# Allegro board SG2042_EVB_V2_0.brd (continued)
## Copper pours and planes (outline as drawn; the poured copper is in the pictures) (continued)
VDD_12V on TOP (solid shape): 126.34,299.9 126.63,299.78 126.75,299.49 126.75,297.32 122.07,297.32 122.07,298.57 122.3,298.57 122.3,298.75 122.44,298.75 122.44,298.57 124.3,298.57 124.3,299.23 124.3,299.27 124.3,299.49 124.42,299.78 124.71,299.9
VDD_12V on TOP (solid shape): 136.58,299.9 136.86,299.78 136.98,299.49 136.98,297.32 132.31,297.32 132.31,298.57 132.54,298.57 132.54,298.75 132.68,298.75 132.68,298.57 134.54,298.57 134.54,299.23 134.54,299.27 134.54,299.49 134.66,299.78 134.94,299.9
VDD_12V on TOP (solid shape): 146.81,299.9 147.1,299.78 147.22,299.49 147.22,297.32 142.54,297.32 142.54,298.57 142.77,298.57 142.77,298.75 142.91,298.75 142.91,298.57 144.77,298.57 144.77,299.23 144.77,299.27 144.77,299.49 144.89,299.78 145.18,299.9
VDD_12V on TOP (solid shape): 64.71,285.91 64.71,285.06 64.63,284.98 64.59,284.99 64.15,284.81 63.98,284.38 64.01,284.17 64.11,283.99 64.08,283.91 64.02,283.9 63.08,283.9 62.39,284.31 61.69,283.9 61.4,283.9 61.4,284.98 60.18,284.98 60.18,283.9 59.33,283.9 59.16,283.9 59.16,284.53 58.39,284.53 58.39,283.9 57.48,283.9 57.19,284.2 56.79,284.31 56.41,284.22 56.13,283.96 55.8,283.96 55.72,284.08 55.73,284.1 55.78,284.24 55.8,284.38 55.19,284.99 54.58,284.38 54.61,284.17 54.71,283.99 54.68,283.91 54.62,283.9 53.68,283.9 52.99,284.31 52.29,283.9 52,283.9 52,284.98 50.78,284.98 50.78,283.9 50.11,283.9 49.94,283.9 49.94,284.53 49.17,284.53 49.17,283.9 47.6,283.9 47.6,286.94 63.68,286.94
VDD_12V on TOP (solid shape): 185.9,283.9 184.51,283.9 184.33,283.9 184.33,284.53 183.57,284.53 183.57,283.9 182.81,283.9 182.11,284.31 181.42,283.9 181.09,283.9 181.01,284.03 181.03,284.05 181.1,284.21 181.12,284.38 180.51,284.99 179.9,284.38 179.93,284.21 179.99,284.05 180.01,284.03 179.94,283.9 179.01,283.9 178.31,284.31 177.62,283.9 177.32,283.9 177.32,284.98 176.1,284.98 176.1,283.9 175.26,283.9 175.08,283.9 175.08,284.53 174.32,284.53 174.32,283.9 173.41,283.9 172.71,284.31 172.02,283.9 171.69,283.9 171.62,284.03 171.63,284.05 171.7,284.21 171.72,284.38 171.11,284.99 170.5,284.38 170.53,284.21 170.6,284.05 170.61,284.03 170.54,283.9 169.61,283.9 168.91,284.31 168.22,283.9 167.92,283.9 167.92,284.98 167.19,284.98 167.19,285.91 168.22,286.94 185.9,286.94
VDD_12V on BOTTOM (solid shape): 95.63,299.9 95.92,299.78 96.04,299.49 96.04,297.33 91.56,297.33 91.42,297.39 91.36,297.54 91.36,298.5 92.76,299.9
VDD_12V on BOTTOM (solid shape): 103.58,143.76 103.73,143.7 103.79,143.55 103.79,142.59 102.39,141.19 99.52,141.19 99.23,141.31 99.11,141.6 99.11,143.76
VDD_12V on BOTTOM (solid shape): 105.87,299.9 106.15,299.78 106.27,299.49 106.27,297.33 101.8,297.33 101.66,297.39 101.6,297.54 101.6,298.5 103,299.9
VDD_12V on BOTTOM (solid shape): 116.1,299.9 116.39,299.78 116.51,299.49 116.51,297.33 112.04,297.33 111.89,297.39 111.83,297.54 111.83,298.5 113.23,299.9
VDD_12V on BOTTOM (solid shape): 126.34,299.9 126.63,299.78 126.75,299.49 126.75,297.33 122.27,297.33 122.13,297.39 122.07,297.54 122.07,298.5 123.47,299.9
VDD_12V on BOTTOM (solid shape): 136.58,299.9 136.86,299.78 136.98,299.49 136.98,297.33 132.51,297.33 132.36,297.39 132.31,297.54 132.31,298.5 133.71,299.9
VDD_12V on BOTTOM (solid shape): 146.81,299.9 147.1,299.78 147.22,299.49 147.22,297.33 142.74,297.33 142.6,297.39 142.54,297.54 142.54,298.5 143.94,299.9
VDD_12V on ART07 (solid shape): outline of 28601 points within 48.64,137.9 222.48,303.76
VDD_12V on PWR08 (solid shape): outline of 28601 points within 48.64,137.9 222.48,303.76
VDD_HDMI_5V on TOP (solid shape): 25.55,187.78 25.43,187.66 23.17,187.66 23.17,188.29 22.53,188.29 22.53,189.59 22.68,189.94 23.04,190.09 25.55,190.09
VDD_HDMI_5V on TOP (solid shape): outline of 112 points within 7.54,180.06 23.88,190.09
VDD_MCU on BOTTOM (solid shape): 117.2,44.58 117.83,44.58 117.83,44.09 117.2,44.09 117.2,43.46 116.51,43.46 116.22,43.58 116.1,43.87 116.1,45.36 117.2,45.36
VDD_MCU on ART14 (solid shape): outline of 3817 points within 102.79,10.67 137.95,49.28
VDD_PCIE0_12V on TOP (solid shape): 47.94,75.57 47.32,75.57 47.32,74.8 47.94,74.8 47.94,69.44 42.1,69.44 42.1,76.16 42.61,76.68 47.94,76.68
VDD_PCIE0_12V on TOP (solid shape): 48.3,86.95 48.17,86.81 48.1,86.65 48.1,86.63 47.95,86.48 46.26,86.48 46.1,86.48 45.57,87.02 45.57,88.67 45.57,91.64 48.3,91.64
VDD_PCIE1_12V on TOP (solid shape): 47.94,116.71 47.32,116.71 47.32,115.95 47.94,115.95 47.94,110.59 42.1,110.59 42.1,116.8 42.61,117.32 47.94,117.32
VDD_PCIE1_12V on TOP (solid shape): 48.3,127.59 48.18,127.46 48.1,127.29 48.1,127.28 47.95,127.12 46.26,127.12 46.1,127.12 45.57,127.66 45.57,129.18 45.57,132.16 48.3,132.16
VDD_PCIE_C_0V8 on ART03 (solid shape): outline of 902 points within 104.05,203.35 130.45,205.22
VDD_PCIE_C_0V8 on ART07 (solid shape): outline of 4375 points within 113.05,170.48 129.45,204.75
VDD_PCIE_C_0V8 on PWR08 (solid shape): outline of 4375 points within 113.05,170.48 129.45,204.75
VDD_PCIE_C_0V8 on ART10 (solid shape): outline of 905 points within 104.05,203.35 130.45,205.22
VDD_PCIE_C_0V8 on ART12 (solid shape): outline of 905 points within 104.05,203.35 130.45,205.22
VDD_PCIE_C_0V8 on ART14 (solid shape): outline of 906 points within 104.05,203.35 130.45,205.22
VDD_PCIE_D_0V8 on ART03 (solid shape): outline of 1582 points within 104.05,205.35 130.45,208.75
VDD_PCIE_D_0V8 on ART07 (solid shape): outline of 6040 points within 104.05,170.48 128.92,208.75
VDD_PCIE_D_0V8 on PWR08 (solid shape): outline of 6040 points within 104.05,170.48 128.92,208.75
VDD_PCIE_D_0V8 on ART10 (solid shape): outline of 1582 points within 104.05,205.35 130.45,208.75
VDD_PCIE_D_0V8 on ART12 (solid shape): outline of 1583 points within 104.05,205.35 130.45,208.75
VDD_PCIE_D_0V8 on ART14 (solid shape): outline of 1583 points within 104.05,205.35 130.45,208.75
VDD_PCIE_H_1V8 on TOP (solid shape): 129.36,157.62 126.16,157.62 126.16,159.61 127.43,160.88 129.36,160.88
VDD_PCIE_H_1V8 on ART03 (solid shape): outline of 760 points within 103.05,201.88 131.45,203.22
VDD_PCIE_H_1V8 on ART07 (solid shape): outline of 2835 points within 122.58,159.36 129.45,202.75
VDD_PCIE_H_1V8 on PWR08 (solid shape): outline of 2835 points within 122.58,159.36 129.45,202.75
VDD_PCIE_H_1V8 on ART10 (solid shape): outline of 732 points within 103.05,201.88 131.45,203.22
VDD_PCIE_H_1V8 on ART12 (solid shape): outline of 733 points within 103.05,201.88 131.45,203.22
VDD_PCIE_H_1V8 on ART14 (solid shape): outline of 769 points within 103.05,201.88 131.45,203.22
VDD_PLL_0V8 on TOP (solid shape): 123.16,163.08 119.96,163.08 119.96,165.07 121.23,166.34 123.16,166.34
VDD_PLL_0V8 on TOP (solid shape): 120.47,168.71 121.23,168.71 121.23,169.34 122.66,169.34 123.16,168.83 123.16,164.34 119.96,164.34 119.96,165.13 119.88,165.34 119.68,165.45 119.37,165.45 119.35,165.46 119.08,165.46 118.72,165.6 118.57,165.96 118.57,168.71 119.2,168.71 119.2,169.34 120.47,169.34
VDD_PLL_0V8 on ART05 (solid shape): outline of 6810 points within 102.55,164.77 131.42,223.25
VDD_U1_5V on TOP (solid shape): 23.04,179.71 22.4,179.71 22.4,179.07 18.82,179.07 18.57,179.32 17.25,179.32 16.94,179.63 16.94,181 17.45,181.51 23.04,181.51
VDD_U1_5V on TOP (solid shape): 25.55,179.2 25.43,179.07 23.17,179.07 23.17,179.71 22.53,179.71 22.53,181 22.68,181.36 23.04,181.51 25.55,181.51
VDD_U2_5V on TOP (solid shape): 23.75,184.25 23.29,184.25 23.29,183.36 23.17,183.36 23.17,184 22.4,184 22.4,183.36 20.95,181.91 17.27,181.91 16.54,181.18 16.54,179.63 16.23,179.32 14.45,179.32 14.15,179.63 14.15,182.25 17.7,185.8 23.75,185.8
VDD_U2_5V on TOP (solid shape): 25.55,183.49 25.43,183.36 23.17,183.36 23.17,184 22.53,184 22.53,185.29 22.68,185.65 23.04,185.8 25.55,185.8
VDDC on TOP (solid shape): 92.66,280.85 93.95,279.56 93.95,275.44 93.9,275.29 93.75,275.23 92.76,275.23 89.66,278.33 89.66,283.95 92.66,283.95
VDDC on TOP (solid shape): 143.84,278.33 140.74,275.23 139.75,275.23 139.61,275.29 139.55,275.44 139.55,279.56 140.84,280.85 140.84,283.95 143.84,283.95
VDDC on TOP (solid shape): 102.9,280.85 104.19,279.56 104.19,277.8 104.13,277.66 103.99,277.6 98.81,277.6 98.66,277.66 98.6,277.8 98.6,279.56 99.9,280.85 99.9,283.95 102.9,283.95
VDDC on TOP (solid shape): 113.13,280.85 114.43,279.56 114.43,277.8 114.37,277.66 114.22,277.6 109.04,277.6 108.9,277.66 108.84,277.8 108.84,279.56 110.13,280.85 110.13,283.95 113.13,283.95
VDDC on TOP (solid shape): 123.37,280.85 124.66,279.56 124.66,277.8 124.6,277.66 124.46,277.6 119.28,277.6 119.13,277.66 119.08,277.8 119.08,279.56 120.37,280.85 120.37,283.95 123.37,283.95
VDDC on TOP (solid shape): 133.61,280.85 134.9,279.56 134.9,277.8 134.84,277.66 134.7,277.6 129.51,277.6 129.37,277.66 129.31,277.8 129.31,279.56 130.61,280.85 130.61,283.95 133.61,283.95
VDDC on TOP (solid shape): outline of 269 points within 92.76,268.4 140.74,278.61
VDDC on BOTTOM (solid shape): 95.05,283.16 95.33,283.04 95.45,282.75 95.45,278 95.33,277.72 95.05,277.6 89.38,277.6 86.87,280.11 86.87,282.75 86.99,283.04 87.27,283.16
VDDC on BOTTOM (solid shape): 146.23,283.16 146.52,283.04 146.63,282.75 146.63,280.11 144.12,277.6 138.46,277.6 138.17,277.72 138.05,278 138.05,282.75 138.17,283.04 138.46,283.16
VDDC on ART03 (solid shape): outline of 807 points within 89.81,268.27 143.69,280.31
VDDC on ART03 (solid shape): outline of 16735 points within 104.05,206.35 129.45,239.75
VDDC on ART05 (solid shape): outline of 26441 points within 89.81,206.35 143.69,280.31
VDDC on ART07 (solid shape): outline of 26437 points within 89.81,206.35 143.69,280.31
VDDC on PWR08 (solid shape): outline of 26440 points within 89.81,206.35 143.69,280.31
VDDC on ART10 (solid shape): outline of 25280 points within 89.81,206.35 143.69,280.31
VDDC on ART12 (solid shape): outline of 26435 points within 89.81,206.35 143.69,280.31
VDDC on ART14 (solid shape): outline of 16727 points within 104.05,206.35 129.45,239.75
VDDIO18 on TOP (solid shape): 221.09,255.3 219.13,255.3 217.86,256.57 217.86,258.5 221.09,258.5
VDDIO18 on TOP (solid shape): 117.45,173.41 117.59,173.35 117.65,173.21 117.65,171.83 117.59,171.69 117.45,171.63 116.86,171.63 116.77,171.65 116.7,171.7 116.76,171.86 117.32,171.86 117.32,172.62 116.66,172.62 116.66,172.95 116.75,173.03 116.79,173.03 116.96,173.1 117.04,173.28 117.04,173.32 117.12,173.41
VDDIO18 on ART03 (solid shape): outline of 1051 points within 99.7,162.51 129.63,175.89
VDDIO18 on ART05 (solid shape): outline of 913 points within 114.58,174.88 116.45,208.22
VDDIO18 on ART05 (solid shape): outline of 2262 points within 108.58,172.72 113.45,208.75
VDDIO18 on ART05 (solid shape): outline of 3476 points within 98.55,165.16 106.09,225.25
VDDIO18 on ART05 (solid shape): outline of 3477 points within 127.64,162.48 134.42,225.25
VDDIO18 on ART05 (solid shape): outline of 13154 points within 152.12,232.23 219.86,288.54
VDDIO18 on ART12 (solid shape): outline of 28786 points within 30.53,0.86 242.98,283.49
VDDIO33 on TOP (solid shape): 221.09,261.93 219.13,261.93 217.86,263.19 217.86,265.12 221.09,265.12
VDDIO33 on ART05 (solid shape): outline of 969 points within 112.58,172.24 115.45,208.75
VDDIO33 on ART12 (solid shape): outline of 24488 points within 19.76,155.4 219.61,302.11
VDDIO_FPLL on ART05 (solid shape): outline of 1036 points within 119.05,170.54 121.92,208.75
VDDIO_MPLL on ART05 (solid shape): outline of 950 points within 118.05,170.54 119.92,208.75
ASM281_3.3V_SUS on BOTTOM (solid shape): 155.07,92.96 155.45,92.58 155.45,92.47 155.33,92.21 155.45,91.96 155.45,91.31 155.07,90.93 154.48,90.93 154.48,88.44 155.07,88.44 155.07,88.21 155.01,88.07 154.86,88.01 152.12,88.01 152.12,88.42 152.12,88.56 153.25,88.56 153.25,88.68 153.26,88.68 153.59,89.01 153.26,89.34 153.25,89.34 153.25,89.48 153.26,89.48 153.59,89.81 153.26,90.14 153.25,90.14 153.25,91.57 153.66,91.57 153.74,91.48 153.73,91.41 154.3,91.18 154.06,91.74 153.97,91.73 153.88,91.69 153.85,91.67 153.72,91.74 153.72,93.37 153.84,93.66 154.13,93.78 155.07,93.78
ASM1061_1V25 on TOP (solid shape): 219.79,76.33 219.79,75.1 219.27,75.1 218.39,75.1 217.7,75.78 214.3,75.78 214.3,76.63 219.48,76.63
ASM1061_1V25 on TOP (solid shape): 218.15,69.13 218.29,69.07 218.35,68.93 218.35,67.83 217.96,67.44 216.76,67.44 216.76,68.71 217.12,69.06 217.42,69.06 217.53,69.08 217.63,69.13
ASM1061_1V25 on ART14 (solid shape): outline of 877 points within 217.91,68.1 226.69,76.1
ASM1061_3V3 on TOP (solid shape): 216.05,70.54 215.24,70.54 215.09,70.69 215.09,72.64 215.26,72.82 216.05,72.82
ASM1061_3V3 on ART03 (solid shape): outline of 1624 points within 215.06,66.75 230.23,81.41
ASM2812_1P05V on BOTTOM (solid shape): 147.27,86.84 147.9,86.84 147.9,86.2 147.79,86.12 147.77,86.13 147.72,86.14 147.66,86.14 147.45,86.07 147.34,85.87 147.33,85.83 146.4,85.83 146.39,85.87 146.28,86.07 146.06,86.14 146.01,86.14 145.96,86.13 145.93,86.12 145.82,86.2 145.82,86.84 146.46,86.84 146.46,87.48 147.27,87.48
ASM2812_1P05V on BOTTOM (solid shape): 144.17,82.76 144.16,82.74 144.14,82.68 144.13,82.61 144.21,82.4 144.41,82.29 144.45,82.28 144.45,81.35 144.41,81.34 144.21,81.23 144.13,81.01 144.13,78.69 144.01,78.4 143.73,78.28 143.43,78.28 143.43,81.48 142.8,81.48 142.8,82.24 143.43,82.24 143.43,82.88 144.09,82.88
ASM2812_1P05V on BOTTOM (solid shape): 155.9,87.65 157.48,87.65 157.48,85.37 156.19,85.37 156.19,86.21 154.56,86.21 154.56,85.37 152.68,85.37 152.68,86.06 151.1,86.06 151.1,85.29 151.98,85.29 151.98,85.16 151.97,85.11 151.97,85.06 151.97,85 151.99,84.94 151.99,84.72 151.97,84.7 151.97,84.63 151.1,84.63 151.1,83.06 151.17,83.06 151.17,82.92 151.16,82.87 151.15,82.83 151.25,82.6 151.49,82.5 151.54,82.5 151.6,82.52 151.63,82.53 151.74,82.45 151.74,81.48 151.1,81.48 151.1,80.72 151.74,80.72 151.74,80.19 151.68,80.04 151.54,79.98 150.6,79.98 150.45,80.04 150.39,80.19 150.39,86.53 150.39,86.64 150.45,86.78 150.6,86.84 152.12,86.84 152.12,87.88 155.9,87.88
ASM2812_1P05V on BOTTOM (solid shape): outline of 243 points within 144.98,76.94 149.73,79.08
ASM2812_1P05V on ART07 (solid shape): outline of 5574 points within 143.46,75.11 163.98,87.83
ASM2812_2P5V on BOTTOM (solid shape): 143.87,87.02 142.85,87.02 142.85,88.09 143.87,88.09
ASM2812_2P5V on BOTTOM (solid shape): 152.88,84.43 153.52,84.43 153.52,83.39 153.46,83.24 153.31,83.19 152.1,83.19 152.1,84.64 152.22,84.74 152.3,84.73 152.52,84.82 152.63,85.02 152.63,85.06 152.88,85.06
ASM2812_2P5V on BOTTOM (solid shape): 148.46,86.84 150.09,86.84 150.09,87.48 150.27,87.48 150.27,86.55 150.27,86.53 150.14,86.26 149.86,86.14 148.64,86.14 148.35,86.26 148.23,86.55 148.23,87.48 148.46,87.48
ASM2812_2P5V on BOTTOM (solid shape): 145.69,86.55 145.57,86.26 145.29,86.14 144.4,86.14 144.11,86.26 143.99,86.55 143.99,86.84 145.49,86.84 145.49,87.48 145.69,87.48
ASM2812_2P5V on BOTTOM (solid shape): 152.04,79.63 152.19,79.57 152.25,79.43 152.25,78.89 151.1,78.89 151.1,78.13 152.25,78.13 152.25,76.71 150.85,76.71 150.85,77.57 150.09,77.57 150.09,76.71 149.86,76.71 149.86,78.22 149.96,78.3 150.02,78.29 150.06,78.28 150.3,78.38 150.39,78.61 150.39,79.43 150.45,79.57 150.6,79.63
ASM2812_2P5V on BOTTOM (solid shape): 144.09,84.79 143.46,84.79 143.46,83.01 141.86,83.01 141.3,83.01 141.3,82.64 141.3,82.61 141.3,81.12 141.3,81.09 141.3,80.21 140.66,80.21 140.66,79.58 140.18,79.58 140.18,81.59 138.58,81.59 138.58,80.64 135.96,80.64 135.88,80.74 135.89,80.82 135.79,81.06 135.56,81.15 135.42,81.12 135.3,81.03 135.29,81.02 135.17,81.01 134.52,81.66 134.52,83.33 136.5,83.33 136.95,83.42 137.34,83.68 137.35,83.69 139.7,83.69 141.2,85.19 144.09,85.19
ASM2812_2P5V on ART10 (solid shape): outline of 5476 points within 136.26,76.1 153.73,87.08
ASM2812_VCC3.3V on BOTTOM (solid shape): 154.86,78.01 154.86,77.27 155.88,77.27 155.88,78.21 158.45,78.21 158.45,76.95 158.33,76.66 158.04,76.54 157.26,76.54 157.04,76.46 156.93,76.24 156.93,76.22 156.85,76.15 156.08,76.15 156.08,76.78 154.46,76.78 154.46,76.5 154.31,76.43 154.29,76.46 154.18,76.52 154.06,76.54 154.01,76.54 153.96,76.53 153.93,76.52 153.82,76.6 153.82,76.78 153.03,76.78 153.03,77.8 153.15,78.09 153.44,78.21 154.74,78.21
ASM2812_VCC3.3V on ART12 (solid shape): outline of 7264 points within 127.84,58.45 157.45,87.08
DAC_VDD12A on TOP (solid shape): 187.17,80.82 187.17,78.89 183.91,78.89 183.91,82.09 185.9,82.09
DAC_VDD12A on BOTTOM (solid shape): 190.2,98.05 190.14,97.9 189.99,97.84 188.85,97.84 188.85,98.53 189.46,98.53 189.46,100.05 190.2,100.05
DAC_VDD12A on BOTTOM (solid shape): 189.55,103.63 189.64,103.4 189.88,103.3 189.99,103.3 190.14,103.24 190.2,103.1 190.2,100.81 189.56,100.81 189.56,100.1 188.7,100.1 188.7,100.03 187.68,100.03 187.68,100.96 187.78,101.06 187.82,101.2 187.82,101.24 188.74,101.24 188.75,101.2 188.85,100.99 189.08,100.9 189.41,101.23 189.08,101.56 188.95,101.54 188.84,101.47 188.82,101.44 188.67,101.5 188.67,103.86 189.55,103.86
DAC_VDD12A on BOTTOM (solid shape): outline of 85 points within 189.23,90.75 192.13,94.08
DAC_VDD12A on ART07 (solid shape): outline of 4074 points within 178.21,79.78 191.72,106.5
DDR01_VDDQ_1V2 on TOP (solid shape): outline of 3539 points within 167.31,200.28 193.65,213.83
DDR01_VDDQ_1V2 on TOP (solid shape): outline of 4011 points within 167.19,220.5 188.21,235.93
DDR01_VDDQ_1V2 on BOTTOM (solid shape): outline of 104 points within 187.53,200.67 195.45,205.82
DDR01_VDDQ_1V2 on GND02 (solid shape): outline of 9395 points within 141.75,201.08 184.38,244.08
DDR01_VDDQ_1V2 on ART03 (solid shape): outline of 16409 points within 151.59,200.23 192.79,265.68
DDR01_VDDQ_1V2 on ART03 (solid shape): outline of 20784 points within 129.58,182.85 154.71,241.25
DDR01_VDDQ_1V2 on ART05 (solid shape): outline of 14507 points within 129.58,200.85 154.68,259.77
DDR01_VDDQ_1V2 on GND06 (solid shape): outline of 12175 points within 138.55,199.99 184.38,237.02
DDR01_VDDQ_1V2 on GND11 (solid shape): outline of 7160 points within 138.55,200.23 173.58,245.28
DDR01_VDDQ_1V2 on ART12 (solid shape): outline of 14694 points within 129.58,200.38 144.42,242.05
DDR01_VDDQ_1V2 on ART12 (solid shape): outline of 15567 points within 152.76,181.53 192.79,235.93
DDR01_VDDQ_1V2 on GND15 (solid shape): outline of 10411 points within 138.55,201.08 183.54,236.16
DDR01_VPP_2V5 on TOP (solid shape): outline of 867 points within 167.19,153.49 193.5,167.92
DDR01_VPP_2V5 on ART03 (solid shape): outline of 1508 points within 167.19,153.54 192.2,161.98
DDR01_VTT_0V6 on TOP (solid shape): 194.07,219.16 194.07,216.93 185.18,216.93 184.91,217.2 168.2,217.2 167.19,218.21 167.19,219.09 167.27,219.17 167.31,219.16 167.75,219.34 167.92,219.78 167.92,219.82 168,219.9 170.42,219.9 170.51,219.82 170.5,219.78 171.11,219.16 171.72,219.78 171.72,219.82 171.8,219.9 176.02,219.9 176.1,219.82 176.1,219.78 176.71,219.16 177.32,219.78 177.32,219.82 177.4,219.9 179.82,219.9 179.9,219.82 179.9,219.78 180.51,219.16 181.12,219.78 181.12,219.82 181.2,219.9 184.9,219.9 185.18,220.18 193.05,220.18
DDR23_VDDQ_1V2 on TOP (solid shape): outline of 3145 points within 39.83,200.28 66.31,213.1
DDR23_VDDQ_1V2 on TOP (solid shape): outline of 3384 points within 45.26,220.5 66.31,235.36
DDR23_VDDQ_1V2 on BOTTOM (solid shape): outline of 104 points within 38.02,200.67 45.95,205.82
DDR23_VDDQ_1V2 on GND02 (solid shape): outline of 9321 points within 49.12,201.42 91.89,244.08
DDR23_VDDQ_1V2 on ART03 (solid shape): outline of 15746 points within 45.77,200.23 84.56,265.68
DDR23_VDDQ_1V2 on ART03 (solid shape): outline of 21105 points within 78.79,182.85 103.92,241.25
DDR23_VDDQ_1V2 on ART05 (solid shape): outline of 14465 points within 78.82,200.85 103.92,259.77
DDR23_VDDQ_1V2 on GND06 (solid shape): outline of 11911 points within 49.12,199.99 94.95,236.16
DDR23_VDDQ_1V2 on GND11 (solid shape): outline of 7169 points within 59.92,200.23 94.95,245.28
DDR23_VDDQ_1V2 on ART12 (solid shape): outline of 14668 points within 89.08,200.38 103.92,242.05
DDR23_VDDQ_1V2 on ART12 (solid shape): outline of 15411 points within 40.69,181.53 80.75,235.93
DDR23_VDDQ_1V2 on GND15 (solid shape): outline of 10410 points within 49.96,201.08 94.95,236.16
DDR23_VPP_2V5 on TOP (solid shape): outline of 1040 points within 40.89,153.49 68.66,167.92
DDR23_VPP_2V5 on ART14 (solid shape): outline of 1520 points within 42.21,153.54 66.31,161.98
DDR23_VTT_0V6 on TOP (solid shape): 48.6,219.9 50.7,219.9 50.78,219.82 50.78,219.78 51.39,219.16 52,219.78 52,219.82 52.08,219.9 54.5,219.9 54.58,219.82 54.58,219.78 55.19,219.16 55.8,219.78 55.8,219.82 55.88,219.9 60.1,219.9 60.18,219.82 60.18,219.78 60.79,219.16 61.4,219.78 61.4,219.82 61.48,219.9 63.9,219.9 63.98,219.82 63.98,219.78 64.15,219.34 64.59,219.16 64.63,219.17 64.71,219.09 64.71,218.21 63.7,217.2 48.59,217.2 48.32,216.93 39.43,216.93 39.43,219.18 40.44,220.18 48.32,220.18
DDR_REF on ART03 (solid shape): outline of 593 points within 192.61,97.03 197.31,108.66
DDR_VDD_0V8 on TOP (solid shape): 106.78,159.86 105.49,158.57 105.49,155.47 102.49,155.47 102.49,158.57 101.19,159.86 101.19,162.05 101.96,162.81 106.78,162.81
DDR_VDD_0V8 on ART07 (solid shape): outline of 25173 points within 96.08,148.36 137.42,240.25
DDR_VDD_0V8 on PWR08 (solid shape): outline of 25001 points within 96.08,148.36 137.42,240.25
DDR_VDD_0V8 on ART10 (solid shape): outline of 52434 points within 89.08,159.13 144.42,240.25
EXTL_PWR on TOP (solid shape): 218.35,73.52 218.35,73.27 214.51,73.27 214.3,73.48 214.3,74.28 217.59,74.28
GVDD on BOTTOM (solid shape): 187.27,97.66 188.85,97.66 188.85,97.71 191.31,97.71 191.6,97.6 191.72,97.31 191.72,96.83 191.08,96.83 191.08,96.19 189.46,96.19 189.46,96.83 188.7,96.83 188.7,96.19 187.07,96.19 187.07,97.05 186.44,97.05 186.44,97.31 186.56,97.6 186.84,97.71 187.27,97.71
GVDD on ART05 (solid shape): outline of 1539 points within 178.46,91.21 198.4,97.71
MVDD on TOP (solid shape): 209.18,98.5 207.19,98.5 205.92,99.77 205.92,101.7 209.18,101.7
MVDD on BOTTOM (solid shape): 191.11,104.67 191.82,104.67 191.82,103.81 192.58,103.81 192.58,102.36 191.01,102.36 191.01,102.83 191.01,102.86 191.15,102.86 191.15,102.8 191.15,102.75 191.17,102.7 191.19,102.66 191.22,102.62 191.26,102.58 191.3,102.55 191.35,102.52 191.4,102.51 191.45,102.5 191.5,102.5 191.55,102.51 191.6,102.52 191.65,102.55 191.69,102.58 191.73,102.62 191.76,102.66 191.78,102.7 191.8,102.75 191.81,102.8 191.81,102.86 191.8,102.91 191.78,102.96 191.76,103 191.73,103.05 191.69,103.08 191.65,103.11 191.6,103.14 191.55,103.15 191.5,103.16 191.45,103.16 191.4,103.15 191.35,103.14 191.3,103.11 191.26,103.08 191.22,103.05 191.19,103 191.17,102.96 191.15,102.91 191.15,102.86 191,102.91 190.98,102.96 190.96,103.01 190.93,103.05 190.89,103.09 190.84,103.12 190.8,103.14 190.75,103.15 190.68,103.16 190.32,103.16 190.26,103.29 190.23,103.32 190.2,103.36 190.16,103.38 190.11,103.41 190.07,103.42 190.02,103.43 189.82,103.44 189.78,103.45 189.75,103.47 189.72,103.5 189.7,103.53 189.68,103.57 189.67,103.6 189.67,103.62 189.67,104.67 190.25,104.67 190.25,105.31 191.11,105.31
MVDD on ART07 (solid shape): outline of 1313 points within 189.41,97.58 207.49,105.7
PCIE_CLK_3.3V on ART03 (solid shape): outline of 933 points within 102.49,96.44 111.91,113.69
PHY0_DVDD33 on BOTTOM (solid shape): outline of 178 points within 25.83,271.12 33.71,273.66
PHY0_REGOUT on ART05 (solid shape): outline of 633 points within 26.21,264.74 32.97,271.17
REFIN on ART05 (solid shape): outline of 892 points within 195.4,288.34 208.28,298.15
SLOT1_3V3 on TOP (solid shape): 55.98,108.89 55.55,108.89 54.97,108.89 54.97,107.05 53.21,107.05 53.21,107.8 53.85,107.8 53.85,108.56 53.21,108.56 53.21,109.47 53.72,109.98 55.98,109.98
SLOT1_3V3 on BOTTOM (solid shape): outline of 173 points within 51.79,93.47 54.84,107.8
SLOT1_12V on TOP (solid shape): 47.95,108.56 47.32,108.56 47.32,107.8 47.95,107.8 47.95,107.62 47.98,107.62 47.98,107.21 47.92,107.21 47.92,107.05 46.28,107.05 46.28,107.21 46.23,107.21 46.23,108.76 47.95,108.76
SLOT1_12V on TOP (solid shape): 47.96,96.59 47.96,96.06 47.95,95.89 47.32,95.89 47.32,95.12 47.95,95.12 47.96,94.94 47.96,94.04 42.13,94.04 42.13,96.08 42.65,96.6 47.92,96.6
SLOT2_3V3 on TOP (solid shape): 54.97,68.25 54.97,66.41 53.21,66.41 53.21,67.16 53.85,67.16 53.85,67.92 53.21,67.92 53.21,68.25 55.55,68.25
SLOT2_3V3 on TOP (solid shape): 56.87,66.98 55.83,66.98 55.76,66.97 55.7,66.93 55.47,66.7 55.44,66.64 55.42,66.57 55.42,66.41 53.21,66.41 53.21,67.16 53.85,67.16 53.85,67.92 53.21,67.92 53.21,68.25 56.87,68.25
SLOT2_3V3 on BOTTOM (solid shape): outline of 173 points within 51.79,52.83 54.84,67.16
SLOT2_12V on TOP (solid shape): 47.95,67.92 47.32,67.92 47.32,67.16 47.95,67.16 47.95,66.98 47.98,66.98 47.98,66.57 47.92,66.57 47.92,66.41 46.28,66.41 46.28,66.57 46.23,66.57 46.23,68.12 47.95,68.12
SLOT2_12V on TOP (solid shape): 47.96,55.95 47.96,55.42 47.95,55.25 47.32,55.25 47.32,54.48 47.95,54.48 47.96,54.3 47.96,53.4 42.13,53.4 42.13,55.44 42.65,55.96 47.92,55.96
SLOT7_3V3 on TOP (solid shape): 54.94,47.6 54.3,47.6 54.3,46.84 54.94,46.84 54.94,46.09 52.54,46.09 52.02,46.61 52.02,47.8 52.2,47.98 54.94,47.98
SLOT7_3V3 on BOTTOM (solid shape): outline of 173 points within 51.79,32.51 54.84,47.09
SLOT7_12V on TOP (solid shape): 47.95,47.6 47.32,47.6 47.32,46.84 47.95,46.84 47.95,46.66 47.98,46.66 47.98,46.25 47.92,46.25 47.92,46.09 46.28,46.09 46.28,46.25 46.23,46.25 46.23,47.8 47.95,47.8
SLOT7_12V on TOP (solid shape): 47.96,35.63 47.96,35.1 47.95,34.93 47.32,34.93 47.32,34.16 47.95,34.16 47.96,33.98 47.96,33.08 42.13,33.08 42.13,35.12 42.65,35.64 47.92,35.64
USBC1_1V05 on ART03 (solid shape): outline of 1109 points within 22.17,146.94 31.88,156.64
USBC1_3V3 on ART07 (solid shape): outline of 1719 points within 18.59,140.39 31.88,156.64
USBC2_1V05 on ART03 (solid shape): outline of 1104 points within 216.18,157.4 225.88,167.11
USBC2_3V3 on ART05 (solid shape): outline of 1656 points within 212.47,150.85 226.06,167.11
VEMMC on BOTTOM (solid shape): 216.38,278.61 218.02,278.61 218.1,278.57 218.2,278.56 218.25,278.56 218.34,278.48 218.34,278.26 217.7,278.26 217.7,277.62 217.43,277.62 217.2,277.72 216.96,277.62 215.7,277.62 215.26,278.05 215.26,279.37 216.38,279.37
VQPS18 on ART05 (solid shape): outline of 697 points within 116.58,174.12 117.92,208.75
N17232516 on TOP (solid shape): 224.14,257.75 224.14,256.04 223.39,255.3 222.59,255.3 222.59,258.5 223.39,258.5
N17235288 on TOP (solid shape): 129.36,155.32 128.61,154.57 126.91,154.57 126.16,155.32 126.16,156.12 129.36,156.12
N17284332 on TOP (solid shape): 123.16,160.78 122.42,160.03 120.71,160.03 119.96,160.78 119.96,161.58 123.16,161.58
N17876523 on TOP (solid shape): 117.47,152.98 116.14,151.65 115.73,151.65 115.73,149.04 115.04,149.04 115.04,150.48 114.49,150.48 114.49,151.09 114.49,151.12 114.49,151.16 114.49,151.65 114.3,151.84 112.19,151.84 112.19,152.48 111.56,152.48 111.56,152.83 112.06,153.34 113.16,153.34 113.16,155.5 117.47,155.5
N17876627 on TOP (solid shape): 117.47,164.19 112.26,164.19 112.24,164.19 111.28,164.19 111.26,164.19 110.77,164.19 109.75,165.2 109.75,168.55 117.47,168.55
N17876627 on TOP (solid shape): 117.47,160.71 117.47,160.71 117.47,158.55 113.16,158.55 113.16,160.71 113.16,160.71 113.16,164.31 113.92,165.07 117.47,165.07
N18071511 on TOP (solid shape): 214.58,216.99 213.83,216.24 212.13,216.24 211.38,216.99 211.38,217.79 214.58,217.79
N18537797 on TOP (solid shape): 224.14,264.38 224.14,262.67 223.39,261.93 222.59,261.93 222.59,265.12 223.39,265.12
N18866551 on TOP (solid shape): 209.44,255.04 204.16,255.04 203.15,256.06 203.15,258.54 209.44,258.54
N19909495 on BOTTOM (solid shape): 185.58,106.14 185.56,106.08 185.56,106.03 185.66,105.8 185.89,105.7 186.11,105.7 186.25,105.64 186.31,105.5 186.31,104.77 187.07,104.77 187.07,105.41 189.1,105.41 189.25,105.35 189.31,105.21 189.31,104.42 189.25,104.28 189.1,104.22 188.67,104.22 188.67,104.83 187.91,104.83 187.91,104.76 187.5,104.76 187.47,104.76 187.25,104.66 187.16,104.44 187.16,104.39 187.18,104.32 187.1,104.22 186.28,104.22 186.2,104.32 186.22,104.39 186.22,104.47 186.21,104.51 186.1,104.69 185.89,104.76 185.78,104.74 185.67,104.68 185.67,104.68 185.59,104.57 185.56,104.44 185.56,104.39 185.58,104.32 185.5,104.22 185.06,104.22 184.92,104.28 184.86,104.42 184.86,106.05 184.92,106.19 185.06,106.25 185.5,106.25
N19909979 on BOTTOM (solid shape): outline of 276 points within 185.67,107.54 190.9,110.26
N19911399 on ART14 (solid shape): outline of 169 points within 69.77,153.37 72.52,159.51
N20196869 on TOP (solid shape): 54.94,128.5 54.3,128.5 54.3,127.74 54.94,127.74 54.94,126.97 52.07,126.97 51.46,127.58 51.46,129.51 54.94,129.51
N20196869 on BOTTOM (solid shape): outline of 131 points within 51.79,115.49 54.84,128.35
N20206252 on TOP (solid shape): 54.94,87.86 54.3,87.86 54.3,87.1 54.94,87.1 54.94,86.33 52.07,86.33 51.46,86.94 51.46,88.87 54.94,88.87
N20206252 on BOTTOM (solid shape): outline of 131 points within 51.79,74.35 54.84,87.71
N21554558 on TOP (solid shape): 25.16,112.62 24.36,112.62 23.61,113.37 23.61,115.08 24.36,115.82 25.16,115.82
N21673061 on TOP (solid shape): 93.04,291.63 92.66,291.26 92.66,288.16 89.66,288.16 89.66,291.26 89.29,291.63 89.29,294.67 93.04,294.67
N21674659 on TOP (solid shape): 105.49,148.16 105.86,147.79 105.86,146.4 102.11,146.4 102.11,147.79 102.49,148.16 102.49,151.26 105.49,151.26
N21678126 on TOP (solid shape): 103.27,291.63 102.9,291.26 102.9,288.16 99.9,288.16 99.9,291.26 99.52,291.63 99.52,294.67 103.27,294.67
N21679362 on TOP (solid shape): 113.51,291.63 113.13,291.26 113.13,288.16 110.13,288.16 110.13,291.26 109.76,291.63 109.76,294.67 113.51,294.67
N21680715 on TOP (solid shape): 123.74,291.63 123.37,291.26 123.37,288.16 120.37,288.16 120.37,291.26 119.99,291.63 119.99,294.67 123.74,294.67
N21683411 on TOP (solid shape): 133.98,291.63 133.61,291.26 133.61,288.16 130.61,288.16 130.61,291.26 130.23,291.63 130.23,294.67 133.98,294.67
N21683418 on TOP (solid shape): 144.22,291.63 143.84,291.26 143.84,288.16 140.84,288.16 140.84,291.26 140.47,291.63 140.47,294.67 144.22,294.67
N21807498 on TOP (solid shape): 126.88,82.35 126.08,82.35 125.34,83.09 125.34,84.8 126.08,85.55 126.88,85.55
N22264547 on TOP (solid shape): 24.61,221.56 24.61,220.8 24.36,220.55 23.29,220.55 23.29,221.82 24.36,221.82
N22267659 on TOP (solid shape): 24.61,203.66 24.61,202.9 24.36,202.64 23.29,202.64 23.29,203.91 24.36,203.91
N22269759 on TOP (solid shape): 24.61,225.86 24.61,225.1 24.36,224.84 23.29,224.84 23.29,226.11 24.36,226.11
N22270395 on TOP (solid shape): 24.61,207.95 24.61,207.19 24.36,206.93 23.29,206.93 23.29,208.2 24.36,208.2
N22307187 on TOP (solid shape): 220.71,144.9 220.71,143.19 219.96,142.44 219.16,142.44 219.16,145.64 219.96,145.64
N22375089 on TOP (solid shape): 177.05,73.01 177.05,72.6 179.66,72.6 179.66,71.91 178.23,71.91 178.23,71.36 177.61,71.36 177.58,71.36 177.54,71.36 177.05,71.36 176.86,71.17 176.86,69.06 176.22,69.06 176.22,68.43 175.87,68.43 175.36,68.94 175.36,70.03 173.2,70.03 173.2,74.35 175.72,74.35
N22384621 on TOP (solid shape): 213.13,71.81 213.13,71.01 209.93,71.01 209.93,71.81 210.68,72.55 212.38,72.55
N22487535 on TOP (solid shape): 42.44,147.29 42.44,142.75 42.44,142.75 42.44,142.16 41.76,141.48 41.75,141.47 41.57,141.35 41.45,141.17 41.44,141.16 41.19,140.91 41.24,140.8 41.24,134.49 38,134.49 38,134.49 34.95,134.49 34.95,137.59 35.97,138.61 38.28,138.61 38.28,138.79 38.91,138.79 38.91,140.41 38.28,140.41 38.28,143.87 39.57,145.16 40.01,145.6 39.97,145.71 39.97,147.29 40.27,147.6 42.14,147.6
N22488220 on TOP (solid shape): 223.06,300.23 223.06,295.45 222.05,294.44 219.43,294.44 219.43,295.05 217.8,295.05 217.8,294.44 215.27,294.44 215.27,294.46 212.22,294.46 212.22,299.16 212.72,299.67 212.85,299.67 214.63,299.67 214.63,299.67 216.23,299.67 217.2,298.7 220.61,298.7 220.61,300.23 221.12,300.74 222.55,300.74
N22488934 on TOP (solid shape): 211.68,13.77 211.68,13.13 213.31,13.13 213.31,13.77 215.85,13.77 218.92,13.77 218.92,9.07 218.41,8.56 216.48,8.56 215.01,8.56 214.09,9.48 210.5,9.48 210.5,7.95 210,7.44 208.56,7.44 208.05,7.95 208.05,12.75 209.07,13.77 211.51,13.77
N22489675 on TOP (solid shape): 189.89,13.77 189.89,13.13 191.52,13.13 191.52,13.77 194.06,13.77 197.13,13.77 197.13,9.07 196.62,8.56 194.69,8.56 193.22,8.56 192.3,9.48 188.71,9.48 188.71,7.95 188.2,7.44 186.77,7.44 186.26,7.95 186.26,12.75 187.27,13.77 189.71,13.77
N22513936 on TOP (solid shape): 229.67,147.6 229.41,147.35 228.65,147.35 228.4,147.6 228.4,148.67 229.67,148.67
N22746018 on TOP (solid shape): 193.65,193.64 192.24,193.64 192.24,191.23 191.69,191.23 190.74,191.23 190.74,193.9 189.33,193.9 189.33,197.23 193.65,197.23
N22746026 on TOP (solid shape): 191.67,174.31 193.45,174.31 193.45,173.63 193.5,173.63 193.5,170.97 189.18,170.97 189.18,174.45 189.24,174.59 189.38,174.65 190.77,174.65 190.77,176.43 191.67,176.43
N22746352 on BOTTOM (solid shape): outline of 366 points within 185.95,185.7 196.62,194.01
N22746998 on TOP (solid shape): 44.14,193.64 42.74,193.64 42.74,191.23 42.19,191.23 41.24,191.23 41.24,193.9 39.83,193.9 39.83,197.23 44.14,197.23
N22747140 on TOP (solid shape): 43.38,174.31 45.16,174.31 45.16,173.63 45.21,173.63 45.21,170.97 40.89,170.97 40.89,174.45 40.95,174.59 41.1,174.65 42.49,174.65 42.49,176.43 43.38,176.43
N22747251 on BOTTOM (solid shape): outline of 366 points within 36.45,185.7 47.12,194.01
N22912503 on TOP (solid shape): 8.87,156.76 9.42,156.76 9.42,157.12 10.95,157.12 10.95,155.85 8.63,155.85 8.63,156.11 8.63,156.15 8.53,156.32 8.35,156.41 8.3,156.41 8.3,156.44 8.1,156.44 8.1,157.12 8.87,157.12
N22912503 on ART03 (solid shape): outline of 210 points within 6.81,156.64 9.86,161.93
N22960260 on TOP (solid shape): 214.17,198.93 214.72,198.93 214.72,198.31 214.72,198.28 214.72,198.25 214.72,197.75 214.91,197.56 217.02,197.56 217.02,196.93 217.65,196.93 217.65,196.57 217.15,196.06 216.05,196.06 216.05,193.9 211.73,193.9 211.73,196.42 213.07,197.75 213.48,197.75 213.48,200.36 214.17,200.36
N23135180 on TOP (solid shape): 212.23,100.95 212.23,99.25 211.48,98.5 210.68,98.5 210.68,101.7 211.48,101.7
N23135758 on TOP (solid shape): 182.41,78.89 181.61,78.89 180.86,79.64 180.86,81.35 181.61,82.09 182.41,82.09
N23136352 on TOP (solid shape): 169.14,106.6 169.14,105.8 165.94,105.8 165.94,106.6 166.69,107.35 168.39,107.35
N23295088 on TOP (solid shape): 27.64,189.84 27.64,189.08 27.38,188.82 26.31,188.82 26.31,190.09 27.38,190.09
N23300322 on TOP (solid shape): 27.64,181.25 27.64,180.49 27.38,180.24 26.31,180.24 26.31,181.51 27.38,181.51
N23301189 on TOP (solid shape): 27.64,185.55 27.64,184.79 27.38,184.53 26.31,184.53 26.31,185.8 27.38,185.8

Small or netless copper shapes (teardrops, artwork), in the pictures only: 221 on TOP, 102 on BOTTOM, 14 on ART03, 5 on ART05, 51 on ART07, 4 on PWR08, 1 on ART10, 4 on ART12, 13 on ART14

## Text on the board
BOTTOM: SG2042_EVB_V2_0  ARTWORK  ART16
Package Geometry/Pastemask Bottom: SG2042_EVB_V2_0  ARTWORK  PASTEMASK_BOTTOM
Ref Des/Silkscreen Bottom: T28:DDR3_CAL_0 | T29:DDR3_ATB0 | T30:DDR3_AT1 | T31:DDR3_PLL_TESTOUT_P | T32:DDR3_PLL_TESTOUT_N | T22:DDR2_CAL_0 | T23:DDR2_ATB0 | T24:DDR2_ATB1 | T25:DDR2_PLL_TESTOUT_P | T26:DDR2_PLL_TESTOUT_N | T10:DDR0_CAL_0 | T11:DDR0_ATB0 | T12:DDR0_ATB1 | T13:DDR0_PLL_TESTOUT_P | T14:DDR0_PLL_TESTOUT_N | TP33:GND | TP32:SWCLK | TP31:SWDIO | TP30:NRST | TP34:VDD | T16:DDR1_CAL_0 | T17:DDR1_ATB0 | T18:DDR1_ATB1 | T19:DDR1_PLL_TESTOUT_P | T20:DDR1_PLL_TESTOUT_N | TOP_RIGHT_BGA | BOTTOM_BGA | TOP_LEFT_BGA | SG2042_EVB_V2_0  ARTWORK  SILKSCREEN_BOTTOM
User.Comments: SG2042_EVB_V2_0  ARTWORK  SOLDERMASK_TOP | SG2042_EVB_V2_0  ARTWORK  SOLDERMASK_BOTTOM
TOP: SG2042_EVB_V2_0  ARTWORK  ART01
Package Geometry/Pastemask Top: SG2042_EVB_V2_0  ARTWORK  PASTEMASK_TOP
Ref Des/Silkscreen Top: c | B | SDIO_RST_X | RGMII0_RST_H | T80:JTAG0_TRST_X | T82:JTAG0_TDI | T84:JTAG0_TMS | T81:JTAG0_TCK | T83:JTAG0_TDO | T79:JTAG0_SRST_X | PCIE1_L1_CLKREQ_IN_X | RGMII0_REFCLKO | 3V3_AUX_PCIE | DDR23_VTT_0V6 | PCIE1_L1_WAKEUP_X | D | JTAG2_TRST_X | JTAG2_SRST_X | A | JTAG2_TDI | JTAG2_TMS | JTAG2_TCK | JTAG2_TDO | LED0 | GND | LED1 | LED2 | LED3 | SW0 | SW1 | T53:VDD_PLL_0V8 | SW2 | H | SW3 | T57:VDD_PCIE_H_1V8 | G0 | G5 | VDD_2V5_ASM | G1 | G6 | G2 | G7 | G3 | TEST_MOD | SWCLK | SWDIO | NRST | VDD | T2:VMON_P | T3:VMON_N | T33:PCIE0_L1_WAKEUP_X | T34:PCIE0_ATB_1 | T37:PCIE0_ATB_0 | T38:PCIE1_ATB_0 | VDD_1V05_ASM | AVDD25 | 68127 | DAC_VDD12A | SCL | SDA | T4:PWR_BUTTON | L | LPC_H | DDR01_VTT_0V6 | E | T15:DDR1_RESET_N | T9:DDR0_RESET_N | SP1 | SDO | SDI | SCK | CS1X | SP0 | CS0X | K | MVDD | G | 3.3V_AUX | VDD_1V25 | VDD_3V3 | T6:EMMC_PWR_EN | T8:EMMC_CLK | VDD_1V05 | T93:I_VDD_12V | T91:I_+5V | F | VDDIO33 | VDDIO18 | SYS_RST_X | SERIRQ | CLKRUN | LPCPD | DDR2_RESET_N | DDR3_RESET_N | PCIE1_ATB_1 | SPF0 | SP0CK | SEL1 | SEL0 | WP_X | HOLD_X | CS_X | SPF1 | SDO1 | LFRAME | LRQ1 | LRQ0 | LAD3 | LAD2 | LAD1 | LAD0 | LCLK | LSMI | LPME | MCU | UART1 | UART0 | MURT | URT3 | URT2 | RX | TX | RTSH | CTSH | 3V3 | RX_H | TX_H | IIC3 | IIC2 | IIC1 | IIC0 | SDAH | SCLH | G26H | G25H | G24H | G23H | G22H | G21H | G20H | G19H | G18H | G17H | G16H | URT1 | URT0 | G31H | G30H | G29H | G28H | G27H | FAN3 | FAN2 | FAN0 | FAN1 | SG2042_EVB_V2_0 | SG2042_EVB_V2_0  ARTWORK  SILKSCREEN_TOP
GND02: SG2042_EVB_V2_0  ARTWORK  ART02
ART03: SG2042_EVB_V2_0  ARTWORK  ART03
GND04: SG2042_EVB_V2_0  ARTWORK  ART04
ART05: SG2042_EVB_V2_0  ARTWORK  ART05
GND06: SG2042_EVB_V2_0  ARTWORK  ART06
ART07: SG2042_EVB_V2_0  ARTWORK  ART07
PWR08: SG2042_EVB_V2_0  ARTWORK  ART08
GND09: SG2042_EVB_V2_0  ARTWORK  ART09
ART10: SG2042_EVB_V2_0  ARTWORK  ART10
GND11: SG2042_EVB_V2_0  ARTWORK  ART11
ART12: SG2042_EVB_V2_0  ARTWORK  ART12
GND13: SG2042_EVB_V2_0  ARTWORK  ART13
ART14: SG2042_EVB_V2_0  ARTWORK  ART14
GND15: SG2042_EVB_V2_0  ARTWORK  ART15
DIMENSION: 7 | Notes: | 3.PLEASE REMOVE NO-FUNCTION PAD ON THIS BOARD. | 4.THIS BOARD MUST BE USED LEAD-FREE. | 5.CAUTION: GERBER FILES AMD IPC-D-356 FILE MUST BE COMPARED AND | 6.ALL VIAS(8mils) ON THE BOARD SHALL BE FILLED WITH RESIN. | 7.FACTORY LOGO AND OTHER INFORMATIONS SHALL BE PRINTED ON THE TOP OF THIS AREA. | 1.ALL DRILL SIZE IS FINISHED PLATED HOLE SIZE. | 2.THICKNESS OF PTH (HOLE WALL COPPER THK) MUST BE 20um AVERAGE. | Surface Finished | Compare With IPC File: | Short Net NO. | Silkscreen Color: | Soldermask Color: | Dielectric Material: | DESIGN BY SOPHGO | Single Impedance | CONFIRMED THAT THEY ARE CONSISTENT. | Tg: | Board Name:SG2042_EVB_V2_0 | Diff Impedance | 100 ohm | 85 ohm | 90 ohm | 40 ohm | 80 ohm | PREPREG | BOTTOM | ART02 | ART03 | ART04 | ART05 | ART06 | ART07 | ART08 | ART09 | ART10 | ART11 | ART12 | ART13 | ART14 | ART15 | CORE | TOP | [XX] | Layer | 14 | 16 | 10 | 12 | If the layers  10, TG must be 170 | 1 | 3 | 5 | Short Net Name: | E-Mail: kun.du@sophgo.com | Layers:16 | HASL(Sn/Pb) | White | Green | OSP | FR-4 | Default | Golden Finger,Others HASL(Pb-Free) | Golden Finger,Others HASL(Sn/Pb) | Yes | Trace Width(mil) | Trace W/S(mil) | 3.9/3.85 | 4.1/3.0 | 3.9/5.1 | 4.2/5.0 | 3.5/5.0 | 3.2/6.0 | 3.5/6.0 | 2.9/6.0 | 4.3/4.0 | 5.0/5.0 | 4.4/4.4 | 4.6/5.0 | 4.8/3.5 | 5.3/5.0 | 4.5/5.0 | 4.9/5.0 | Layer Stack up | Solder Bot | Silk Bot | 6.8 | 5.9 | 5.3 | Solder Top | Silk Top | xxxxx | ImAg | Yellow | Other:IT-170GRA2 | No | HASL(Pb-Free) | Blue | Mid-Tg | Tolerance | + | - | 10% | 150 | C | Frequency(GHZ) | Total Thickness: 2.00mm | Tel: +86-18219168856 | Panel Mode: | Board Thickness:2.00 mm+/-10% | Thickness (mil) | ImSn | Immersion Gold(ENIG) | Red | Black | Golden Finger,Others ENIG | Golden Finger,Others OSP | 2 | Hi-Tg | 1/3oz+plating | 1/2oz | 2.50 | 4.00 | 6.00 | 1oz | 170 | 1x1 | Ref Layer | 13,15 | 11,13 | 9,11 | 2,4 | 4,6 | 6,8 | 15 | XXXXX | NONE | SG2042_EVB_V2_0  DRILL CHART
User.9: SG2042_EVB_V1_0 | SG2042_EVB_V1_1 | SG2042_EVB_V2_0 | BOARD NAME | NAME: DUKUN | TEL: 18219168856 | EMAIL: KUN.DU@SOPHGO.COM | VER. | 1.0 | 1.1 | 2.0 | DESIGNER | DUKUN | 2022/09/08 | 2022/11/25 | 2023/03/03 | DATA | H | G | F | E | D | C | B | A | 8 | 7 | 6 | 5 | 4 | 3 | 2 | 1
User.12: FIGURE | FINISHED_SIZE | 8.0 | 24.02 | 26.0 | 27.56 | 31.5 | 35.43 | 40.0 | 40.16 | 47.24 | 51.18 | 53.15 | 66.93 | 70.87 | 90.55 | 157.48 | 188.98 | 25.59 | 43.31 | 45.28 | 52.0 | 62.99 | 78.74 | 96.46 | 118.11 | 127.95 | 55.12x23.62 | 66.93x23.62 | 70.87x31.5 | 169.29x23.62 | 96.46x47.24 | DRILL CHART: TOP to BOTTOM | ALL UNITS ARE IN MILS | TOLERANCE_DRILL | +0.0/-0.0 | +3.0/-3.0 | +2.76/-2.76 | +1.97/-1.97 | +3.94/-3.94 | +2.0/-2.0 | PLATED | NON-PLATED | QTY | 9537 | 14 | 1152 | 36 | 46 | 12 | 150 | 8 | 16 | 2 | 4 | 24 | 10 | 7 | 1 | 6 | 5 | 11081 | TOTAL HOLES:
User.15: NOTES: | - MNC_LAYER: MUST-NOT-CUT-LAYER | - MAX_DEPTH: DEPTH FROM START LAYER TO THE | SURFACE OF MUST-NOT-CUT-LAYER | - MFG_STUB : MANUFACTURING STUB LENGTH | FIGURE | BD_SIZE | 16.0 | MNC_LAYER | ART03 | BACKDRILL: BOTTOM to GND04 | ALL UNITS ARE IN MILS | MAX_DEPTH | 67.7 | MFG_STUB | 8.0 | QTY | 160 | TOTAL BACKDRILLS: 160
User.16: NOTES: | - MNC_LAYER: MUST-NOT-CUT-LAYER | - MAX_DEPTH: DEPTH FROM START LAYER TO THE | SURFACE OF MUST-NOT-CUT-LAYER | - MFG_STUB : MANUFACTURING STUB LENGTH | FIGURE | BD_SIZE | 16.0 | MNC_LAYER | ART05 | BACKDRILL: BOTTOM to GND06 | ALL UNITS ARE IN MILS | MAX_DEPTH | 57.3 | MFG_STUB | 8.0 | QTY | 40 | TOTAL BACKDRILLS: 40
User.17: NOTES: | - MNC_LAYER: MUST-NOT-CUT-LAYER | - MAX_DEPTH: DEPTH FROM START LAYER TO THE | SURFACE OF MUST-NOT-CUT-LAYER | - MFG_STUB : MANUFACTURING STUB LENGTH | FIGURE | BD_SIZE | 16.0 | MNC_LAYER | ART12 | BACKDRILL: BOTTOM to GND13 | ALL UNITS ARE IN MILS | MAX_DEPTH | 18.9 | MFG_STUB | 8.0 | QTY | 40 | TOTAL BACKDRILLS: 40
